# Altium PCB iWatch-v2.0.PcbDoc (continued)
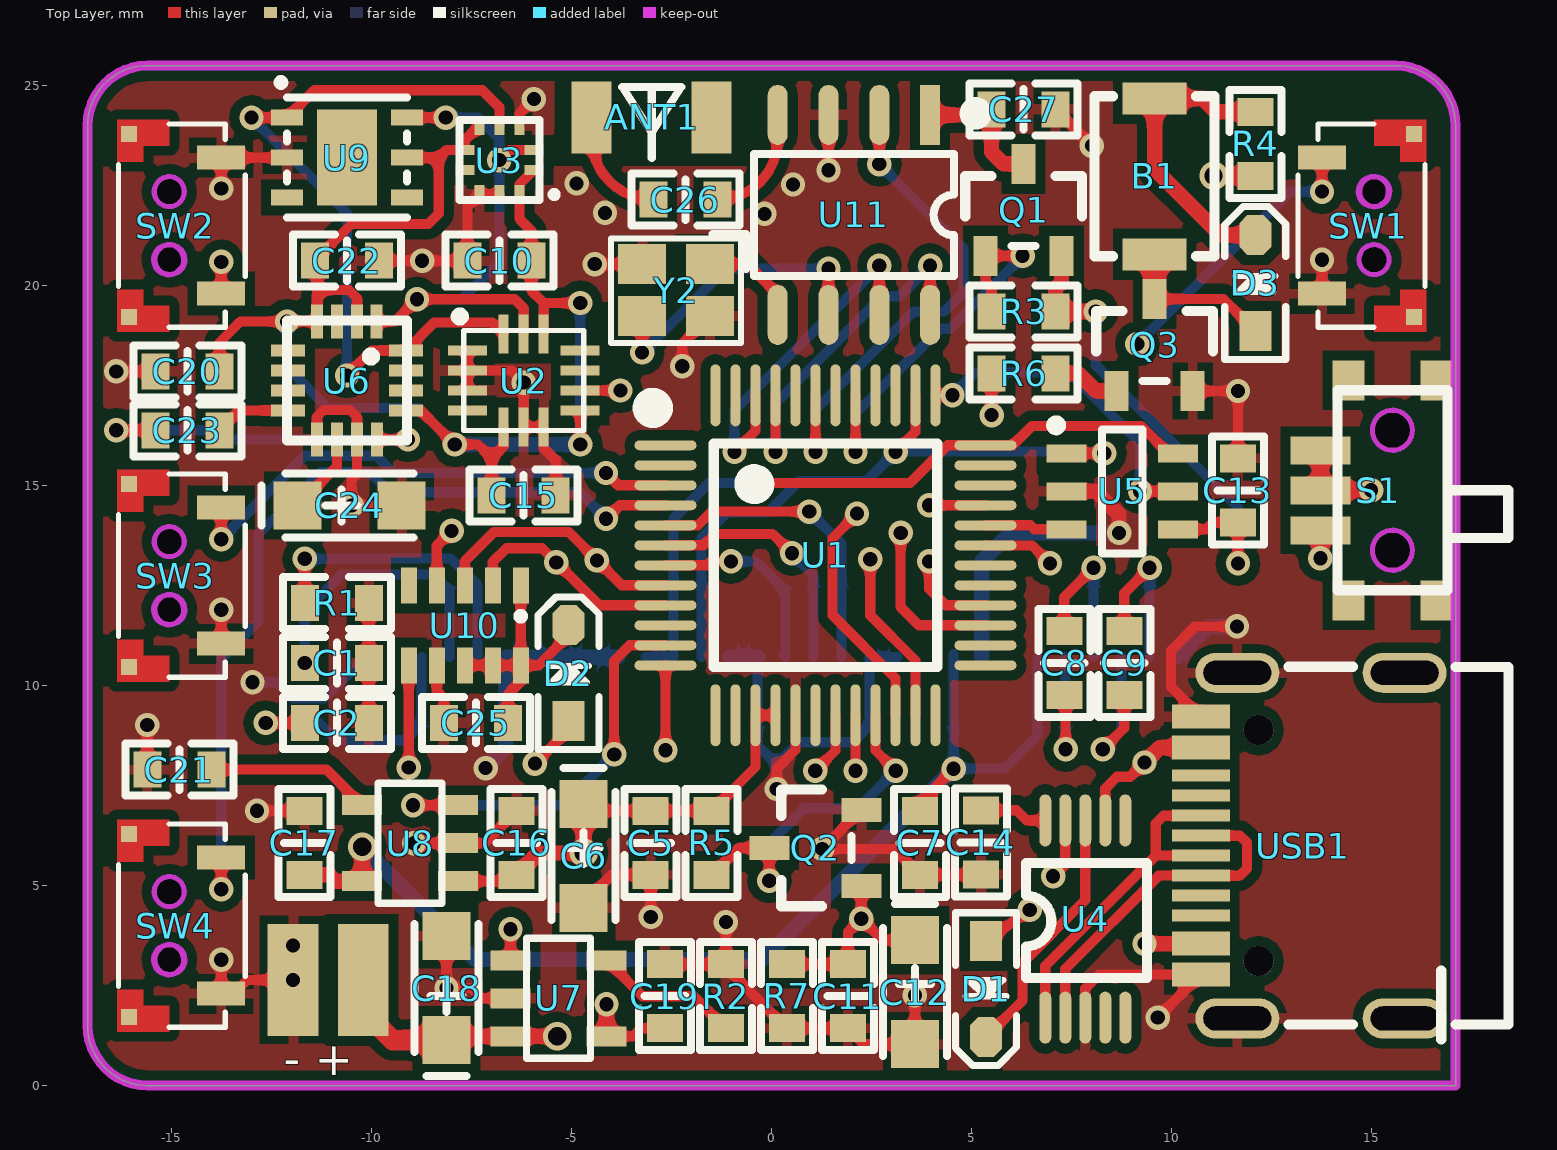
[diagram p0: Top Layer view]
## Footprints (in the part's own frame and the unit in brackets; to place one, negate y for a bottom-side part, rotate by r counter-clockwise, add the part's x,y. Pads: shape width x height; smd on the part's side, far side on the other; paste and mask are expansions set on the pad) (continued)
  silkscreen extent -2.5,-2.9 2.5,1.38, body extent -2.97,-2.96 3.03,2.24, height 1.4
MSOP10 [mm] "VSOP8"
  oval 1.3x0.3 smd: 1(0,0) 2(0,-0.5) 3(0,-1) 4(0,-1.5) 5(0,-2) 6(4.928,-2) 7(4.928,-1.5) 8(4.928,-1) 9(4.928,-0.5) 10(4.928,0)
  silkscreen extent 0.99,-2.54 3.86,0.48, body extent -0.11,-2.62 5.04,0.58, height 1.09
"OLED-1.3-90 - duplicate" [mm]
  rect 0.4x3.5 smd: 1(-10.15,-3.31) 2(-9.45,-3.31) 3(-8.75,-3.31) 4(-8.05,-3.31) 5(-7.35,-3.31) 6(-6.65,-3.31) 7(-5.95,-3.31) 8(-5.25,-3.31) 9(-4.55,-3.31) 10(-3.85,-3.31) 11(-3.15,-3.31) 12(-2.45,-3.31) 13(-1.75,-3.31) 14(-1.05,-3.31) 15(-0.35,-3.31) 16(0.35,-3.31) 17(1.05,-3.31) 18(1.75,-3.31) 19(2.45,-3.31) 20(3.15,-3.31) 21(3.85,-3.31) 22(4.55,-3.31) 23(5.25,-3.31) 24(5.95,-3.31) 25(6.65,-3.31) 26(7.35,-3.31) 27(8.05,-3.31) 28(8.75,-3.31) 29(9.45,-3.31) 30(10.15,-3.31)
  silkscreen extent -16.21,-13.89 16.21,8.85, body extent -16.21,-13.89 16.21,8.85, height 1.28
"OSC 2025-4P" [mm] "2*2.5*0.55mm(长宽高)                    淘宝ID:黄晶宝石"
  rect 1.2x1 smd: 1(-0.85,-0.65) 2(0.85,-0.65) 3(0.85,0.65) 4(-0.85,0.65)
  silkscreen extent -1.75,-1.4 1.63,1.32, body extent -1.25,-1 1.25,1, height 0.55
"QFN16 3X3" [mm] "高精度三轴磁力计"
  rect 0.85x0.3 smd: 1(-1.475,0.737) 2(-1.475,0.25) 3(-1.475,-0.25) 4(-1.475,-0.75) 9(1.475,-0.75) 10(1.475,-0.25) 11(1.475,0.25) 12(1.475,0.75)
  rect 0.3x0.85 smd: 5(-0.75,-1.475) 6(-0.25,-1.475) 7(0.25,-1.475) 8(0.75,-1.475) 13(0.75,1.475) 14(0.25,1.475) 15(-0.25,1.475) 16(-0.75,1.475)
  silkscreen extent -1.5,-1.5 1.5,1.5, body extent -1.5,-1.5 1.5,1.5, height 0.9
R-0603-M [mm]
  rect 0.7x0.9 smd: 1(-0.8,0) 2(0.8,0)
  silkscreen extent -1.35,-0.65 1.35,0.65, body extent -0.8,-0.4 0.8,0.4, height 0.38
RX8130CE [mm] "RTC"
  rect 0.4x0.9 smd: 1(-1.4,-1) 2(-0.7,-1) 3(0,-1) 4(0.7,-1) 5(1.4,-1) 6(1.4,1) 7(0.7,1) 8(0,1) 9(-0.7,1) 10(-1.4,1)
  silkscreen extent -1.45,-0.29 -1.34,-0.17, body extent -1.62,-1.27 1.62,1.27, height 0.87
SMD402 [mm] "SMD buzzer"
  rect 0.8x1.6 smd: 1(-1.95,0) 2(1.95,0)
  silkscreen extent -2,-1.5 2,1.5, body extent -2.25,-1.5 2.25,1.5, height 1.93
SOD-323 [mm] "1.8x1.3X0.9mm（长宽高，不包括引脚）"
  rect 1x0.8 smd: 1(-1.2,0)
  oct 1x0.8 smd: 2(1.2,0)
  silkscreen extent -1.91,-0.76 1.91,0.76, body extent -1.34,-0.63 1.31,0.67, height 1
SOP8_L [mm] "5*6*1.8mm（长宽高）"
  rect 1.5x0.5 smd: 1(-2.5,1.905)
  oval 1.5x0.5 smd: 2(-2.5,0.635) 3(-2.5,-0.635) 4(-2.5,-1.905) 5(2.5,-1.905) 6(2.5,-0.635) 7(2.5,0.635) 8(2.5,1.905)
  silkscreen extent -2.69,-2.5 1.52,3.2, body extent -3,-2.5 3,2.5, height 1.9
SOT23-5 [mm]
  rect 0.5x1 smd: 1(0,0) 2(0.95,0) 3(1.9,0) 4(1.9,2.4) 5(0,2.4)
  silkscreen extent -0.55,0.4 2.45,2, body extent -0.5,-0.2 2.4,2.6, height 1.09
SOT23-6L [mm] "3x1.6x1.1mm(长宽高) 封装库来自淘宝卖家 ID：黄晶宝石"
  rect 0.45x1 smd: 1(-0.95,-1.397) 2(0,-1.397) 3(0.95,-1.397) 4(0.95,1.397) 5(0,1.397) 6(-0.95,1.397)
  silkscreen extent -1.77,-1.78 1.55,0.51, body extent -1.5,-1.4 1.5,1.4, height 1.15
SOT-23 [mm]
  rect 1x0.6 smd: 1(1.15,-0.95) 2(1.15,0.95) 3(-1.15,0)
  silkscreen extent -0.85,-1.46 0.9,1.46, body extent -1.5,-1.5 1.5,1.5, height 1.3
"TSW SMD-2*4*3.5" [mm] "贴片侧贴轻触开关"
  rect 0.4x0.4 smd: 0(-2.286,1) 0(2.286,1)
  rect 0.6x1.2 smd: 1(-1.7,-1.3) 2(1.7,-1.3)
  Top Layer region: 2.65,0 2.65,1.3 1.6,1.3 1.6,0.65 2,0.65 2,0
  Top Layer region: -2.65,0 -2.65,1.3 -1.6,1.3 -1.6,0.65 -2,0.65 -2,0
  Keep-Out Layer circle w0.127: c-0.85,0 r0.375
  Keep-Out Layer circle w0.127: c0.85,0 r0.375
  Keep-Out Layer board cut-out: 0.475,0 0.504,-0.144 0.585,-0.265 0.706,-0.346 0.85,-0.375 0.85,-0.375 0.994,-0.346 1.115,-0.265 1.196,-0.144 1.225,0 1.225,0 1.196,0.144 1.115,0.265 0.994,0.346 0.85,0.375 0.85,0.375 0.706,0.346 0.585,0.265 0.504,0.144 0.475,0
  Keep-Out Layer board cut-out: -0.85,-0.375 -0.994,-0.346 -1.115,-0.265 -1.196,-0.144 -1.225,0 -1.225,0 -1.196,0.144 -1.115,0.265 -0.994,0.346 -0.85,0.375 -0.85,0.375 -0.706,0.346 -0.585,0.265 -0.504,0.144 -0.475,0 -0.475,0 -0.504,-0.144 -0.585,-0.265 -0.706,-0.346 -0.85,-0.375
  Keep-Out Layer region: -0.411,0 -0.469,-0.217 -0.626,-0.377 -0.842,-0.439 -1.06,-0.385 -1.224,-0.23 -1.289,-0.015 -1.239,0.204 -1.087,0.369 -0.873,0.438 -0.653,0.392 -0.485,0.243 -0.412,0.031 -0.412,0.031 -0.412,0.031 -0.412,0.029 -0.412,0.026 -0.412,0.026 -0.42,-0.005 -0.443,-0.028 -0.474,-0.038 -0.505,-0.03 -0.529,-0.009 -0.54,0.022 -0.54,0.022 -0.591,0.173 -0.71,0.278 -0.866,0.311 -1.018,0.262 -1.126,0.144 -1.161,-0.011 -1.115,-0.163 -0.999,-0.273 -0.845,-0.311 -0.691,-0.268 -0.58,-0.154 -0.539,0 -0.539,0 -0.533,0.028 -0.515,0.05 -0.489,0.062 -0.461,0.062 -0.435,0.05 -0.417,0.028 -0.411,0
  silkscreen extent -2.54,-1.9 2.54,1.27, body extent -2.27,-1.66 2.27,2.13, height 1.8
USB-C-SMD_16P [mm]
  oval 1x2.1 hole 0.6 slot 1.7 at 90 deg: 0(-4.32,0) 0(-4.32,4.18) 0(4.32,0) 0(4.32,4.18)
  rect 0.6x1.45 smd: A1B12(-3.225,5.095) A4B9(-2.45,5.095) B1A12(3.225,5.095) B4A9(2.45,5.095)
  rect 0.3x1.45 smd: A5(-1.25,5.095) A6(-0.25,5.095) A7(0.25,5.095) A8(-1.75,5.095) B5(1.75,5.095) B6(0.75,5.095) B7(-0.75,5.095) B8(1.25,5.095)
  round 0.75 hole 0.75 unplated: ""(-2.89,3.65) ""(2.89,3.65)
  silkscreen extent -4.47,-2.6 4.47,2.9, body extent -4.47,-2.66 4.47,5.24, height 3.25

## Part data
ANT1: "PCB板载2.4G天线"
B1: "蜂鸣器"
C1 C2 C5 C7 C8 C9 C10 C11 C13 C14 C15 C16 C17 C19 C20 C21 C22 C23 C25 C26 C27: library part Cap, "无极性电容"
C6 C12 C18 C24: library part Cap_1, "有极性电容"
D1 D2 D3: "高速开关二极管"
OLED1: library part OLED-1.3, "OLED12864屏幕"
Q1: "P沟道场效应管"
Q2: "N沟道场效应管"
Q3: "NPN型三极管"
R1 R2 R3 R4 R5 R6 R7: library part Resistor, "电阻"
S1: library part "SW SPDT", "单刀双掷开关"
SW1 SW2 SW3 SW4: "轻触开关"
U1: library part STC32G12K128_LQFP48, "增强型51单片机"
U2: "always-on 3D accelerometer and 3D gyroscope"
U3: "博世高精度气压传感器"
U4: "USB转串口，免外部晶振，超小封装"
U5: "字库芯片"
U6: "高精度三轴磁力计"
U7: "锂电池充电ic"
U8: "LDO-3.3v"
U9: "TI/温湿度传感器"
U10: "内置晶振的RTC"
U11: "蓝牙5.1双模的纯数据芯片,同时支持SPP 和BLE"
USB1: library part USB-C-SMD_16P, "USB-C型母接口"
Y2: "4脚晶振"

## Free pads (board coordinates)
  rect 1.27x2.794 smd: 2(-11.963,2.642) 2(-10.211,2.642)

## Via types
v1: diameter 0.61, hole 0.356, Top Layer to Bottom Layer, 109 vias
v2: diameter 0.711, hole 0.457, Top Layer to Bottom Layer, 4 vias

## Nets (pads, with @x,y where several pads share a name; then routed paths per layer and width w, separated by ;. In a path a pad name is that pad's centre, name@x,y a point inside that pad or via, vN(x,y) a via of type N, cw(c..) or ccw(c..) an arc to the next point about the centre after c; other vN are vias at no path point)
3V3: C7.1 C10.1 C13.1 C15.1 C17.1 C20.1 C22.1 OLED1.6 OLED1.9 Q1.2 R3.1 U2.5 U2.8 U2.12 U3.1 U3.5 U3.6 U3.10 U5.4 U6.2 U6.4 U6.13 U8.5 U9.5 | length 113.4
  Top Layer w0.254: C20.1 -13.805,18.58 -13.282,19.103 v1(-12.116,19.103) U6.4 -11.367,19.888 ; U6.2 -10.367,19.689 -10.566,19.888 -11.367,19.888 ; U6.13 -8.775,16.878 v1(-7.925,16.027) -7.34,16.027 -6.998,15.685 ; U9.5 -8.321,23.2 ; U3.5 -7.67,23.639 U3.6 -8.132,23.389 -8.321,23.2 ; C15.1@-6.998,14.503 C15.1 -6.998,15.685 ; U2.5 -6.698,15.985 -6.998,15.685 ; U3.1 -6.307,22.527 U3.10 -6.307,21.674 -6.007,21.374 C10.1 -6.007,19.876 -5.698,19.566 ; U2.12 -5.698,19.566 ; v1(-4.786,16.027) U2.8 ; v1(-4.786,19.566) -5.698,19.566 ; C7.1 3.708,7.083 v1(4.55,7.925) ; U5.4 10.861,13.909 11.036,14.084 C13.1 v1(11.659,13.056) ; -11.367,19.888 -11.367,20.575 C22.1 -10.503,21.539 -8.585,21.539 -8.321,21.803 -8.321,23.2
  Top Layer w0.381: C17.1 -11.062,5.271 -10.902,5.11 U8.5 v2(-10.236,5.969) ; Q1.2 7.249,20.076 7.099,19.926 R3.1 v1(8.103,19.355)
  Power Layer w0.381: v2(-10.236,5.969) -10.236,10.389 -9.271,11.354 ; v1(-7.925,16.027) -9.271,14.681 -9.271,11.354 ; v1(8.103,19.355) 6.325,17.577 6.325,13.767 3.912,11.354 -9.271,11.354
  Bottom Layer w0.254: v1(-12.116,19.103) -12.116,17.958 -11.1,16.942 -8.839,16.942 v1(-7.925,16.027) ; v1(-4.786,16.027) v1(-4.786,19.566) ; OLED1.9@4.55,10.795 OLED1.9 v1(4.55,7.925) 5.817,7.925 6.65,8.758 OLED1.6 ; v1(8.103,19.355) 8.103,18.009 11.659,14.453 v1(11.659,13.056)
  Bottom Layer w0.381: v2(-10.236,5.969) -7.422,3.155 -0.22,3.155 v1(4.55,7.925) ; v1(-7.925,16.027) v1(-4.786,16.027)
3V3_EN: U1.11 U8.3 | length 10.5
  Top Layer w0.254: v1(-8.966,7.01) U8.3 ; v1(-3.937,8.28) -3.937,10.617 -3.545,11.009 U1.11
  Bottom Layer w0.254: v1(-8.966,7.01) -5.207,7.01 v1(-3.937,8.28)
B\T\E\N\: Q1.1 R3.2 U1.41 | length 10.6
  Top Layer w0.254: v1(2.096,15.85) U1.41 ; R3.2 5.499,19.952 5.349,20.102 Q1.1 v1(6.274,20.745)
  Bottom Layer w0.254: v1(2.096,15.85) 2.096,16.803 4.216,18.923 4.461,18.923 6.274,20.736 v1(6.274,20.745)
BTSTA: U1.43 U11.2 | length 12.7
  Top Layer w0.254: v1(1.096,15.85) U1.43 ; v1(2.692,23.038) U11.2
  Bottom Layer w0.254: v1(1.096,15.85) 1.096,16.9 3.551,19.355 4.318,19.355 4.801,19.837 4.801,20.93 v1(2.692,23.038)
BUZZER: R6.2 U1.33 | length 5.4
  Top Layer w0.254: v1(3.937,14.509) U1.33 ; v1(5.499,16.764) R6.2
  Power Layer w0.254: v1(3.937,14.509) 5.499,16.071 v1(5.499,16.764)
C\S\1: OLED1.13 U1.5 | length 7.7
  Top Layer w0.254: U1.5 -1.841,14.009 -1.499,14.351 v1(0.94,14.351)
  Bottom Layer w0.254: v1(0.94,14.351) 1.75,13.541 OLED1.13
C\S\2: U1.32 U5.3 | length 2.1
  Top Layer w0.254: U1.32 6.464,14.009 6.563,13.909 U5.3
CHRG_SENSE: U1.12 U7.1 | length 9.6
  Top Layer w0.254: U7.1 v1(-6.528,3.912) ; v1(-2.653,8.382) U1.12
  Power Layer w0.254: v1(-6.528,3.912) -6.528,5.486 -5.334,6.68 -4.355,6.68 v1(-2.653,8.382)
D+: U4.1 USB1.A6 USB1.B6 | length 8.3
  Top Layer w0.254: U4.1 6.841,2.989 9.601,5.75 ; USB1.A6 9.601,5.75 ; USB1.B6 9.798,6.75 9.601,6.553 9.601,5.75
D-: U4.2 USB1.A7 USB1.B7 | length 8.7
  Top Layer w0.254: U4.2 7.341,2.914 9.676,5.25 USB1.B7 11.702,5.25 11.887,5.436 11.887,6.071 11.708,6.25 USB1.A7
D/C\: OLED1.15 U1.7 | length 5.1
  Top Layer w0.254: U1.7 -1.622,13.009 -1.524,13.106 v1(-1.016,13.106)
  Bottom Layer w0.254: v1(-1.016,13.106) -0.392,13.106 0.35,12.364 OLED1.15 OLED1.15@0.305,10.764
GND: C1.2 C2.2 C5.1 C6.2 C7.2 C10.2 C11.1 C12.2 C13.2 C14.2 C15.2 C16.2 C17.2 C18.2 C19.1 C20.2 C21.2 C22.2 C24.2 C25.2 C27.2 OLED1.1 OLED1.8 OLED1.11 OLED1.12 OLED1.16 OLED1.17 OLED1.21 OLED1.22 OLED1.23 OLED1.24 OLED1.25 OLED1.30 pad.2@-11.963,2.642 Q2.2 Q3.2 R1.1 R2.1 R7.1 SW1.2 SW2.2 SW3.1 SW4.1 U1.17 U2.1 U2.2 U2.3 U2.6 U2.7 U3.3 U3.8 U3.9 U4.3 U5.2 U6.9 U6.11 U7.2 U8.2 U9.2 U10.7 U11.3 USB1.0@11.644,1.68 USB1.0@11.644,10.32 USB1.A1B12 USB1.B1A12 Y2.2 Y2.4 | length 103.1
  Top Layer w0.254: v1(-16.383,17.856) C20.2 ; C21.2 v1(-15.608,9.017) ; v1@-13.76,3.244 v1(-13.76,3.15) SW4.1 -13.448,2.3 -13.106,2.642 v1(-11.963,2.642) ; SW3.1 v1(-13.76,11.9) ; v1(-13.76,22.428) SW2.2 U9.2 ; v1(-12.865,6.871) C17.2 ; U6.9 -11.367,16.725 -11.201,16.891 -10.541,16.891 -10.367,16.717 U6.11 -10.367,15.287 -10.499,15.155 v1(-10.499,14.503) C24.2 ; C2.2 C1.2 R1.1 ; C22.2 v1(-8.738,20.625) C10.2 -7.607,21.976 U3.8 U3.9 ; v1(-8.941,6.06) U8.2 -7.186,6.06 C16.2 ; U10.7 -8.371,9.87 -8.191,9.69 C25.2 ; C18.2 v1(-8.128,2.438) -7.493,2.438 -7.239,2.184 U7.2 ; U2.3 U2.2 ; U2.1 U2.2 ; U3.3 -6.307,24.3 v1(-5.944,24.663) ; C15.2 -5.398,15.634 -5.698,15.934 U2.7 U2.6 v1(-6.198,17.577) -6.498,17.878 U2.2 ; C6.2@-4.699,4.571 -3.999,5.271 C5.1 v1(-3.023,4.216) ; v1(-4.42,20.538) Y2.2 ; C19.1 R2.1 ; v1(-2.235,17.983) -2.235,18.541 Y2.4 ; v1(-1.143,4.089) R2.1 ; v1(0.127,7.417) 0.127,7.925 0.596,8.394 U1.17 ; v1(1.422,22.885) U11.3 ; Q2.2 v1(1.267,5.918) 3.061,5.918 C7.2 5.22,5.271 C14.2 ; v1(3.581,2.261) C12.2 2.303,1.037 C11.1 R7.1 -1.143,2.959 R2.1 ; C14.2@5.232,5.359 C14.2@5.258,5.36 ; C27.2 v1(8.007,23.501) ; U4.3 7.841,2.43 8.185,2.775 USB1.A1B12@10.725,2.775 ; v1(9.652,1.702) USB1.A1B12@10.725,2.775 ; Q3.2 v1(11.659,17.367) C13.2 ; USB1.A1B12 USB1.A1B12@10.725,2.775 ; USB1.B1A12 9.982,9.972 9.982,10.871 10.592,11.481 v1(11.633,11.481) ; SW1.2 v1(13.76,20.65)
  Top Layer w0.381: U5.2 8.103,14.859 8.687,14.275 v1(8.687,13.818)
  Bottom Layer w0.254: v1(-12.979,10.084) -12.37,10.084 -11.963,9.677 -11.191,9.677 OLED1.30 ; OLED1.16 -0.35,8.503 0.127,8.026 ; v1(0.127,7.417) 0.127,8.026 ; OLED1.11 OLED1.12 2.45,9.003 2.032,8.585 0.686,8.585 0.127,8.026
  Bottom Layer w0.381: v1(-7.15,7.938) -6.65,8.438 OLED1.25 OLED1.24 OLED1.23 OLED1.22 OLED1.21 ; OLED1.17 OLED1.16 ; OLED1.8 5.25,13.099 5.969,13.818 v1(8.687,13.818) ; OLED1.1 10.912,11.481 v1(11.633,11.481)
  other v1: -11.963,3.505 -0.178,21.793 -4.166,21.819 0.533,22.53 -4.877,22.555
INT1: U1.22 U2.9 | length 17.6
  Top Layer w0.254: U2.9 v1(-3.781,17.378) ; v1(2.134,14.3) 1.524,13.691 1.524,11.76 3.096,10.188 U1.22
  Power Layer w0.254: v1(-3.781,17.378) -2.794,16.391 -2.794,13.792 -1.397,12.395 0.787,12.395 1.524,13.132 1.524,13.691 v1(2.134,14.3)
INT2: U1.27 U10.6 | length 22.1
  Top Layer w0.254: v1(-9.071,7.95) U10.6 ; v1(3.226,13.818) 3.226,11.963 3.68,11.509 U1.27
  Gound Layer w0.254: v1(-9.071,7.95) -5.185,11.836 2.388,11.836 3.226,12.675 v1(3.226,13.818)
KEY1: SW1.1 U1.31 | length 15.2
  Top Layer w0.254: U1.31 5.352,13.503 6.513,13.503 v1(6.96,13.056) ; v1(13.76,22.35) SW1.1
  Power Layer w0.254: v1(6.96,13.056) 6.96,16.358 v1(9.144,18.542)
  Bottom Layer w0.254: v1(9.144,18.542) 12.952,22.35 v1(13.76,22.35)
KEY2: SW2.1 U1.28 | length 27.9
  Top Layer w0.254: SW2.1 v1(-13.76,20.593) ; v1(3.937,13.106) 3.937,12.421 4.349,12.009 U1.28
  Power Layer w0.254: v1(-13.76,20.593) -10.853,20.593 -9.957,21.488 -8.28,21.488 -5.004,18.212 -5.004,17.297 -3.404,15.697 -3.404,13.513 -1.727,11.836 3.378,11.836 3.937,12.395 v1(3.937,13.106)
KEY3: SW3.2 U1.3 | length 13.1
  Top Layer w0.254: v1(-13.76,13.657) SW3.2 ; v1(-4.14,15.316) -3.833,15.009 U1.3
  Bottom Layer w0.254: v1(-13.76,13.657) -11.671,15.746 -9.888,15.746 -9.458,15.316 v1(-4.14,15.316)
KEY4: SW4.2 U1.4 | length 21.5
  Top Layer w0.254: v1(-13.76,4.907) SW4.2 ; v1(-4.14,14.173) -3.805,14.509 U1.4
  Bottom Layer w0.254: v1(-13.76,4.907) -13.76,10.675 -12.827,11.608 -12.827,13.792 -11.279,15.34 -10.057,15.34 -9.55,14.834 -4.801,14.834 v1(-4.14,14.173)
MISO: U1.37 U5.5 | length 8.2
  Top Layer w0.254: U1.37 v1(4.521,17.258) ; v1(9.21,14.859) U5.5
  Bottom Layer w0.254: v1(4.521,17.258) 5.094,17.831 7.442,17.831 9.21,16.063 v1(9.21,14.859)
MOSI: OLED1.19 OLED1.20 U1.36 U5.6 | length 18
  Top Layer w0.254: v1(-0.406,15.062) 3.454,15.062 4.401,16.009 U1.36 6.027,16.009 6.513,16.495 9.235,16.495 9.921,15.809 U5.6
  Bottom Layer w0.254: OLED1.20 OLED1.19 -2.45,14.187 -1.575,15.062 v1(-0.406,15.062)
NetANT1_1: ANT1.1 C26.1 | length 2.9
  Top Layer w0.254: ANT1.1 -4.497,23.687 ccw(c-2.959,23.687) C26.1
NetB1_1: B1.1 D3.2 R4.1 | length 7.6
  Top Layer w0.381: D3.2 11.221,21.266 9.576,22.911 B1.1 10.775,24.683 11.113,24.346 R4.1
NetB1_2: B1.2 D3.1 Q3.3 | length 4
  Top Layer w0.254: Q3.3 11.29,19.667 D3.1
  Top Layer w0.508: Q3.3 B1.2
NetC1_1: C1.1 OLED1.27 | length 7.1
  Bottom Layer w0.254: v1(-11.671,10.566) -11.671,11.857 -10.752,12.776 -8.462,12.776 -8.05,12.364 OLED1.27
NetC2_1: C2.1 OLED1.28 | length 6.9
  Top Layer w0.254: v1(-12.649,9.068) C2.1
  Bottom Layer w0.254: v1(-12.649,9.068) -11.303,9.068 -10.871,8.636 -9.169,8.636 -8.75,9.055 OLED1.28
NetC8_1: C8.1 OLED1.5 | length 3.7
  Top Layer w0.254: C8.1 7.35,9.733 v1(7.35,8.407)
  Bottom Layer w0.254: v1(7.35,8.407) OLED1.5
NetC8_2: C8.2 OLED1.4 | length 4.1
  Top Layer w0.254: C8.2 7.317,12.212 v1(8.05,12.945)
  Bottom Layer w0.254: OLED1.4 v1(8.05,12.945)
NetC9_1: C9.1 OLED1.3 | length 4.1
  Top Layer w0.254: v1(8.28,8.407) 8.816,8.943 C9.1
  Bottom Layer w0.254: v1(8.28,8.407) 8.75,8.877 OLED1.3
NetC9_2: C9.2 OLED1.2 | length 4.1
  Top Layer w0.254: C9.2 8.816,12.31 v1(9.45,12.945)
  Bottom Layer w0.254: OLED1.2 v1(9.45,12.945)
NetC14_1: C14.1 U4.10 | length 1.7
  Top Layer w0.254: C14.1 6.121,6.883 6.375,6.629 U4.10
NetC21_1: C21.1 U8.4 | length 4.1
  Top Layer w0.254: C21.1 -11.125,7.899 U8.4
NetC23_1: C23.1 U6.8 | length 1.9
  Top Layer w0.254: C23.1 -13.31,16.878 U6.8
NetC23_2: C23.2 U6.12 | length 9.1
  Top Layer w0.254: v1(-16.383,16.383) C23.2 ; U6.12 v1(-9.091,16.153)
  Bottom Layer w0.254: v1(-16.383,16.383) -13.919,16.383 -13.689,16.153 v1(-9.091,16.153)
NetC24_1: C24.1 U6.10 | length 2.1
  Top Layer w0.254: C24.1 -10.867,15.485 U6.10
NetC25_1: C25.1 D2.2 U10.1 U10.8 U10.9 U10.10 | length 7
  Top Layer w0.254: U10.8 U10.9 U10.10 ; C25.1 -6.591,9.792 -6.271,10.112 U10.10 ; U10.1 U10.10 ; D2.2@-5.264,11.328 D2.2 -5.08,11.252 -5.826,10.506 U10.10
NetC26_2: C26.2 U11.4 | length 3
  Top Layer w0.254: C26.2 ccw(c-1.359,23.66) 0.152,23.66 U11.4
NetC27_1: C27.1 Q1.3 U11.1 | length 3.6
  Top Layer w0.381: U11.1 5.358,24.268 C27.1 5.499,23.343 5.797,23.045 Q1.3
NetD1_2: D1.2 U4.8 | length 6.7
  Top Layer w0.254: D1.2 6.274,2.127 6.274,3.073 7.841,4.64 U4.8 U4.8@7.841,6.883
NetOLED1_26: OLED1.26 R1.2 | length 7.5
  Top Layer w0.254: R1.2 v1(-11.671,13.17)
  Bottom Layer w0.254: v1(-11.671,13.17) -10.875,13.17 -10.862,13.183 -8.026,13.183 -7.35,12.506 OLED1.26
NetQ3_1: Q3.1 R6.1 | length 1.7
  Top Layer w0.381: R6.1 7.671,17.805 8.11,17.367 Q3.1
NetR2_2: R2.2 U7.5 | length 3.7
  Top Layer w0.254: U7.5 -3.229,2.235 -1.943,2.235 R2.2
NetU11_5: U11.5 Y2.1 | length 2.5
  Top Layer w0.254: Y2.1 -0.599,20.538 0.152,19.787 U11.5
NetU11_6: U11.6 Y2.3 | length 7.6
  Top Layer w0.254: v1(-3.238,18.327) Y2.3 ; U11.6 v1(1.422,20.422)
  Bottom Layer w0.254: v1(-3.238,18.327) -1.143,20.422 v1(1.422,20.422)
PWR_SENSE: Q2.3 R5.1 U1.21 | length 9
  Top Layer w0.254: R5.1 -0.826,5.944 Q2.3 v1(-0.058,5.124) ; U1.21 2.596,8.378 v1(3.1,7.874)
  Bottom Layer w0.254: v1(-0.058,5.124) -0.058,6.064 0.813,6.934 2.16,6.934 v1(3.1,7.874)
R\E\S\: OLED1.14 U1.6 | length 6.3
  Top Layer w0.254: U1.6 -1.706,13.509 -1.422,13.792 0.025,13.792 v1(0.508,13.31)
  Bottom Layer w0.254: v1(0.508,13.31) 1.05,12.768 OLED1.14
RXD: D1.1 U1.19 | length 9.7
  Top Layer w0.254: v1(1.092,7.874) 1.596,8.378 U1.19 ; D1.1 v1(6.452,4.394)
  Power Layer w0.254: v1(1.092,7.874) 4.572,4.394 v1(6.452,4.394)
RXD4: U1.45 U11.8 | length 9.1
  Top Layer w0.254: v1(0.096,15.85) U1.45 ; U11.8 v1(3.962,20.498)
  Bottom Layer w0.254: v1(0.096,15.85) 0.096,17.063 2.769,19.736 3.2,19.736 v1(3.962,20.498)
SCL: U1.9 U2.13 U3.2 U6.1 U9.6 U10.2 | length 27.3
  Top Layer w0.254: U6.1 -9.422,19.103 v1(-8.865,19.66) -6.426,19.66 -6.198,19.431 U2.13 ; U9.6 v1(-8.147,24.2) ; U10.2 -6.971,13.095 -6.629,13.437 -5.74,13.437 v1(-5.385,13.081) -4.313,12.009 U1.9 ; v1(-6.807,23.139) -6.557,23.389 U3.2
  Power Layer w0.254: v1(-8.865,19.66) -8.865,18.821 -5.385,15.342 v1(-5.385,13.081)
  Bottom Layer w0.254: v1(-8.865,19.66) -7.747,19.66 -6.807,20.599 v1(-6.807,23.139) -6.807,23.673 -7.334,24.2 v1(-8.147,24.2)
SCLK: OLED1.18 U1.38 U5.1 | length 16.5
  Top Layer w0.254: v1(3.099,15.85) 3.596,16.347 U1.38 ; U5.1 v1(8.316,15.809)
  Bottom Layer w0.254: OLED1.18 -1.75,13.693 -1.118,14.326 -0.102,14.326 0.686,15.113 2.362,15.113 v1(3.099,15.85) 8.275,15.85 v1(8.316,15.809)
SDA: U1.8 U2.14 U3.4 U6.16 U9.1 U10.3 | length 36
  Top Layer w0.254: v1(-13.005,24.2) U9.1 -11.431,24.886 -7.233,24.886 -6.807,24.46 U3.4 ; v1(-10.617,17.755) -9.994,18.378 U6.16 -8.444,19.075 -6.982,19.075 U2.14 ; U10.3 -7.671,13.106 -6.934,13.843 -5.08,13.843 v1(-4.369,13.132) -3.746,12.509 U1.8
  Power Layer w0.254: v1(-10.617,17.755) -8.611,17.755 -6.401,15.545 -6.401,12.802 -5.918,12.319 -5.164,12.319 v1@-4.371,13.111
  Bottom Layer w0.254: v1(-13.005,24.2) -10.617,21.812 v1(-10.617,17.755)
T0: U1.23 U10.4 | length 17.4
  Top Layer w0.254: U10.4 -8.371,13.498 v1(-8.001,13.868) ; v1(2.464,13.157) 2.464,11.76 3.596,10.628 U1.23
  Gound Layer w0.254: v1(-8.001,13.868) -6.375,12.243 1.549,12.243 v1(2.464,13.157)
TXD: U1.20 U4.9 | length 9.2
  Top Layer w0.254: v1(2.096,7.874) U1.20 ; v1(7.036,5.232) 7.341,5.537 U4.9 U4.9@7.341,6.883
  Power Layer w0.254: v1(2.096,7.874) 4.738,5.232 v1(7.036,5.232)
TXD4: U1.46 U11.7 | length 9
  Top Layer w0.254: v1(-0.927,15.85) -0.404,16.373 U1.46 ; U11.7 v1(2.692,20.498)
  Bottom Layer w0.254: v1(-0.927,15.85) -0.927,16.878 v1(2.692,20.498)
VBAT: C18.1 D2.1 pad.2@-10.211,2.642 R4.2 S1.1 S1.2 U7.3 | length 51.9
  Top Layer w0.254: C18.1 C18.1@-8.032,1.234 ; v1(-5.918,8.052) -5.08,8.89 D2.1
  Top Layer w0.381: C18.1@-8.032,1.234 U7.3 v2(-5.359,1.234) ; v2(11.049,22.746) R4.2 ; S1.1 S1.2 v1(14.986,14.884)
  Top Layer w0.508: pad.2@-10.211,2.642 -10.211,1.88 -9.47,1.138 C18.1
  Power Layer w0.381: v2(-5.359,1.234) -7.595,3.47 -7.595,6.375 v1(-5.918,8.052) -3.2,10.77 8.796,10.77 10.643,12.616 10.643,13.818 12.624,15.799 ; v2(11.049,22.746) 12.624,21.171 12.624,15.799 ; v1(14.986,14.884) 13.538,14.884 12.624,15.799
VCC: C11.2 C12.1 C19.2 Q2.1 R7.2 U4.7 U7.4 USB1.A4B9 USB1.B4A9 | length 31.8
  Top Layer w0.254: U7.4 -3.465,1.234 -3.264,1.435 C19.2 ; R7.2 C11.2 1.905,3.835 v1(2.242,4.173) ; Q2.1 v1(2.242,4.173) ; C12.1 2.778,3.637 v1(2.242,4.173) ; U4.7 8.341,7.426 8.636,7.722 8.966,7.722 v1(9.322,8.077)
  Top Layer w0.381: U7.4 v1(-4.128,2.032) ; v1(9.322,3.55) USB1.A4B9 ; v1(9.322,8.077) 9.695,8.45 USB1.B4A9
  Power Layer w0.254: 2.242,3.55 v1(2.242,4.173)
  Power Layer w0.381: v1(-4.128,2.032) 0.724,2.032 2.242,3.55 v1(9.322,3.55) v1(9.322,8.077)
VDD: C5.2 C6.1 C16.1 R5.2 S1.3 U1.15 U1.16 U8.1 | length 33.6
  Top Layer w0.254: U8.1 -6.536,5.11 C16.1 ; C6.1 -4.699,7.171 -4.399,6.871 C5.2 R5.2 -0.404,7.965 U1.15 U1.16
  Top Layer w0.381: C16.1 -5.829,5.817 v2(-4.699,5.817) C6.1 ; v1(13.719,13.183) S1.3
  Power Layer w0.381: v2(-4.699,5.817) -2.642,5.817 1.778,10.236 9.017,10.236 11.049,12.268 12.805,12.268 v1(13.719,13.183)
pads on no net: ANT1.2 OLED1.7 OLED1.10 OLED1.29 S1.0 SW1.0 SW2.0 SW3.0 SW4.0 U1.1 U1.2 U1.10 U1.13 U1.14 U1.18 U1.24 U1.25 U1.26 U1.29 U1.30 U1.34 U1.35 U1.39 U1.40 U1.42 U1.44 U1.47 U1.48 U2.4 U2.10 U2.11 U3.7 U4.4 U4.5 U4.6 U6.3 U6.5 U6.6 U6.7 U6.14 U6.15 U9.0 U9.3 U9.4 U10.5 USB1. USB1.0@15.824,1.68 USB1.0@15.824,10.32 USB1.A5 USB1.A8 USB1.B5 USB1.B8

## Polygon pours and split planes (outlines as drawn)
GND on Bottom Layer "Top Layer-No Net" (solid, remove dead copper, pour order 22): -19.253,27.788 -19.533,27.508 -19.533,-2.261 19.914,-2.261 21.057,-1.118 19.533,0.406 19.533,27.838
GND on Top Layer "Top Layer-No Net" (solid, remove dead copper, pour order 24): -19.329,27.661 -19.329,-2.718 -19.177,-2.87 -17.958,-1.651 19.71,-1.651 19.71,27.534 19.761,27.584
GND on Gound Layer "Top Layer-No Net" (solid, remove dead copper, pour order 26): -18.796,26.848 -19.152,26.492 -19.152,-1.854 20.447,-1.854 20.676,-1.626 19.761,-0.711 19.761,27.127

## Keep-outs
Keep-Out Layer:
  circle w0.127: c-15.06,4.85 r0.375
  circle w0.127: c-15.06,3.15 r0.375
  circle w0.127: c-15.06,13.6 r0.375
  circle w0.127: c-15.06,11.9 r0.375
  circle w0.127: c-15.06,22.35 r0.375
  circle w0.127: c-15.06,20.65 r0.375
  circle w0.127: c15.06,22.35 r0.375
  circle w0.127: c15.06,20.65 r0.375
  circle w0.127: c15.519,13.384 r0.5
  circle w0.127: c15.519,16.384 r0.5
  lines w0.254: -17.1,1.5 ccw(c-15.6,1.5) -15.6,0 17.1,0 17.1,24 ccw(c15.6,24) 15.6,25.5 -15.6,25.5 ccw(c-15.6,24) -17.1,24 -17.1,1.5

## Other copper
Multi-Layer:
  pour cut-out: -5.436,25.5 -5.436,22.987 -0.406,22.987 -0.406,25.5

## Silkscreen, mask and mechanical layers (free items; w line width, h text height)
Top Overlay:
  lines w0.203: -2.997,23.19 -2.997,24.968 ; -2.997,24.968 -2.261,24.968 -2.997,23.825 -3.734,24.968 -2.997,24.968
  lines w0.254: 16.739,1.151 16.739,2.87
  text "- +" at -12.192,0.254 h0.84
Bottom Overlay:
  text "a CXC's" at -3.124,18.491 h1.27
  text "iWatch V2.0" at 10.338,18.491 h1.52
  text "Project" at -3.124,16.459 h1.52
  text "2022.03.07" at 10.211,16.459 h1.52
Mechanical 1:
  circle w0.127: c15.06,22.35 r0.375
  circle w0.127: c15.06,20.65 r0.375
  circle w0.127: c-15.06,4.85 r0.375
  circle w0.127: c-15.06,3.15 r0.375
  circle w0.127: c-15.06,13.6 r0.375
  circle w0.127: c-15.06,11.9 r0.375
  circle w0.127: c-15.06,20.65 r0.375
  circle w0.127: c-15.06,22.35 r0.375
  circle w0.127: c15.519,16.383 r0.5
  circle w0.127: c15.519,13.383 r0.5
  lines w0.254: -17.1,1.5 ccw(c-15.6,1.5) -15.6,0 17.1,0 17.1,24 ccw(c15.6,24) 15.6,25.5 -15.6,25.5 ccw(c-15.6,24) -17.1,24 -17.1,1.5

## Text inside footprints (layer, text, board x,y; h text height)
OLED1: Bottom Overlay "1" at 10.4,9.119 h2 r180; Bottom Overlay "30" at -8.9,9.119 h2 r180